# Altium PCB Intelliclone.PcbDoc (part 3 of 3)
Units mil, origin at the board's own origin, x right, y up, seen from the top; angles counter-clockwise.
Board outline 10500 x 3750 mil, 2 copper layers (Top Layer, Bottom Layer), stack 60.8 mil thick; 177 components, 173 nets, 727 pads, 193 vias.
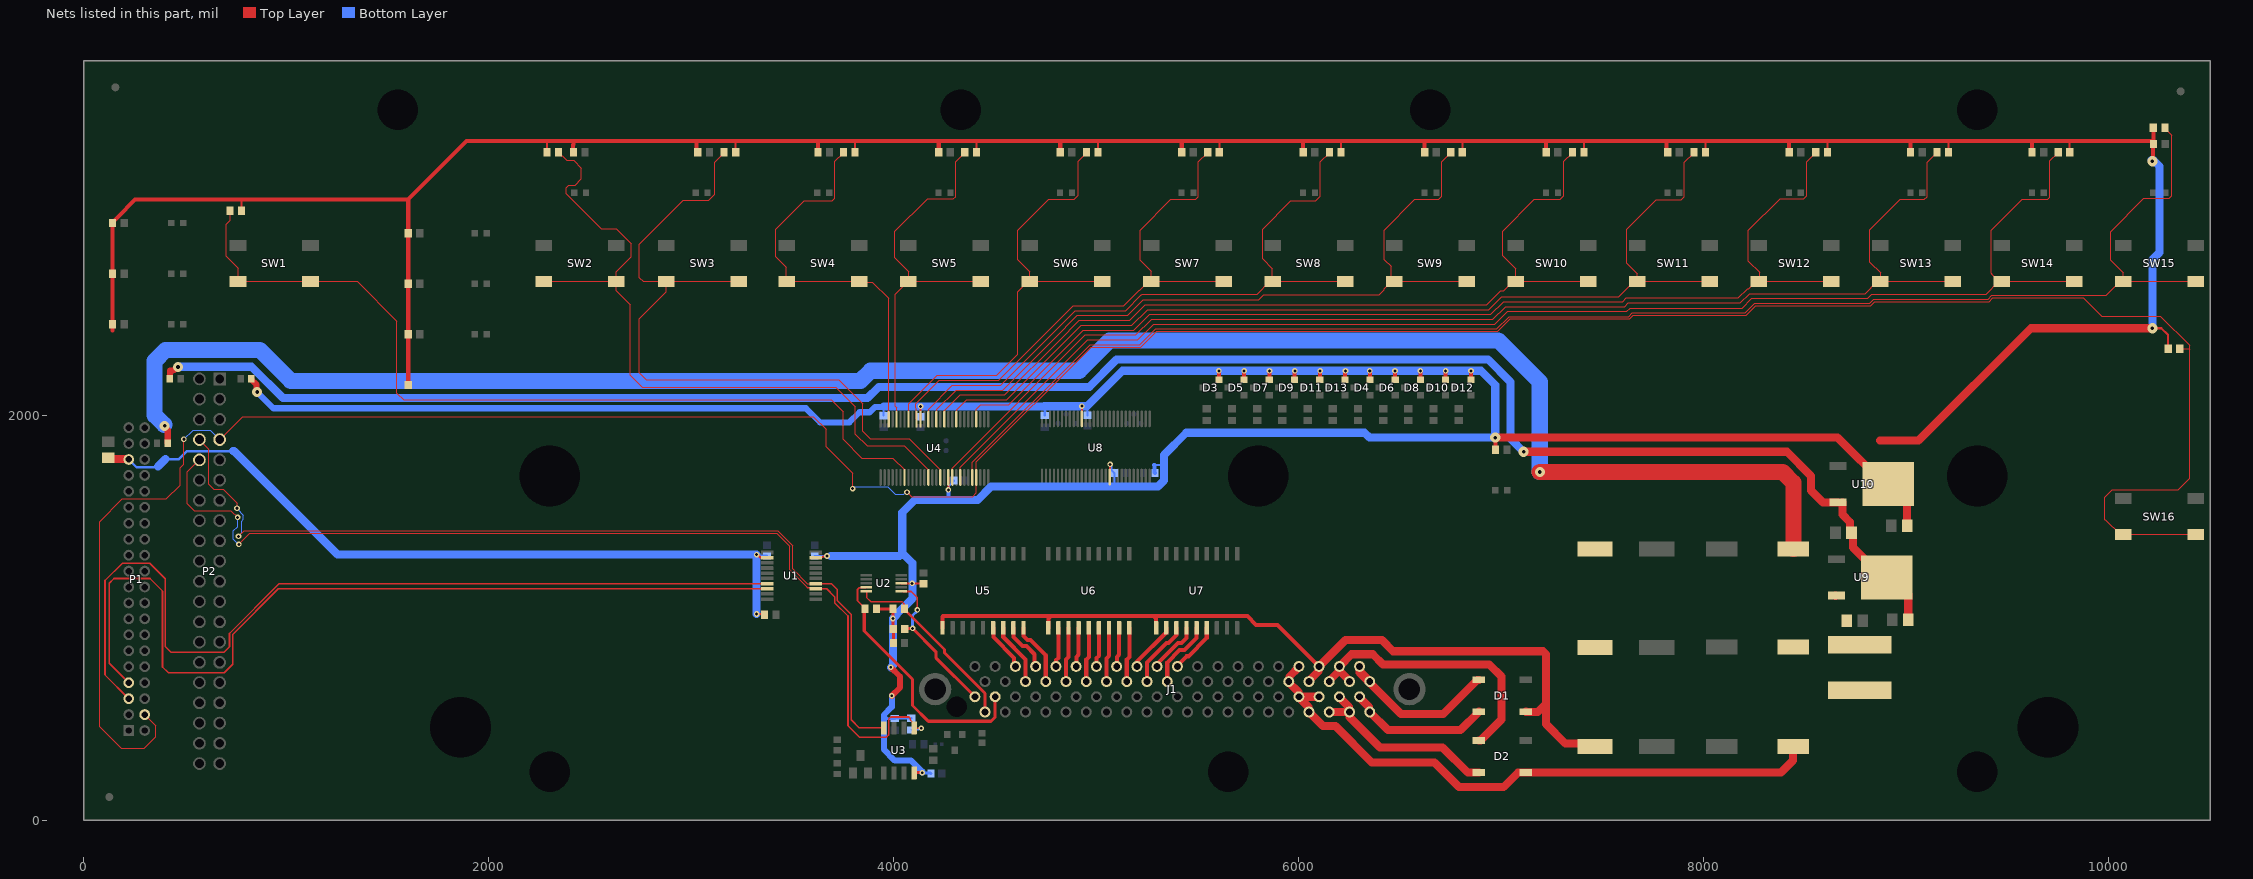
[diagram p3: the nets of this part, all layers, seen from the top]

## Via types
v1: diameter 28, hole 15, Top Layer to Bottom Layer, 98 vias
v2: diameter 28, hole 12, Top Layer to Bottom Layer, tented both sides, 44 vias
v3: diameter 50, hole 18, Top Layer to Bottom Layer, 36 vias
v4: diameter 28, hole 12, Top Layer to Bottom Layer, 15 vias

## Nets (pads, with @x,y where several pads share a name; then routed paths per layer and width w, separated by ;. In a path a pad name is that pad's centre, name@x,y a point inside that pad or via, vN(x,y) a via of type N, cw(c..) or ccw(c..) an arc to the next point about the centre after c; other vN are vias at no path point) (continued)
OUT5: J1.9 U5.15 | length 235.6
  Top Layer w20: U5.15@4490,950 4490.83,949.17 4490.83,904.17 4593.42,801.58 4593.42,766.58 J1.9@4600,760
OUT6: J1.11 U5.16 | length 310.6
  Top Layer w20: U5.16@4540,950 4540,905 4650,795 J1.11@4650,685
OUT7: J1.13 U5.17 | length 247.3
  Top Layer w20: U5.17@4590,950 4590.83,949.17 4590.83,904.17 4635,860 4655,860 4695,820 4695,765 J1.13@4700,760
OUT8: J1.15 U5.18 | length 319.4
  Top Layer w20: U5.18@4640,950 4640,910 4660,890 4675,890 4750,815 J1.15@4750,685
OUT9: J1.17 U6.11 | length 197.2
  Top Layer w20: J1.17@4795,760 4801.58,766.58 4801.58,791.58 4812.5,802.5 U6.11@4812.5,950
OUT10: J1.19 U6.12 | length 270.2
  Top Layer w20: J1.19@4850,685 4850,795 4862.5,807.5 U6.12@4862.5,950
OUT11: J1.21 U6.13 | length 195.2
  Top Layer w20: J1.21@4900,760 4901.58,761.58 4901.58,806.58 4912.5,817.5 U6.13@4912.5,950
OUT12: J1.23 U6.14 | length 270.2
  Top Layer w20: J1.23@4950,685 4950,795 4962.5,807.5 U6.14@4962.5,950
OUT13: J1.25 U6.15 | length 197.2
  Top Layer w20: J1.25@4995,760 5001.58,766.58 5001.58,801.58 5012.5,812.5 U6.15@5012.5,950
OUT14: J1.27 U6.16 | length 270.2
  Top Layer w20: J1.27@5050,685 5050,800 5062.5,812.5 U6.16@5062.5,950
OUT15: J1.29 U6.17 | length 195.2
  Top Layer w20: J1.29@5100,760 5101.58,761.58 5101.58,806.58 5112.5,817.5 U6.17@5112.5,950
OUT16: J1.31 U6.18 | length 270.2
  Top Layer w20: J1.31@5150,685 5150,795 5162.5,807.5 U6.18@5162.5,950
OUT17: J1.33 U7.11 | length 252.1
  Top Layer w20: J1.33@5195,760 5201.58,766.58 5201.58,783.94 5345,927.36 U7.11@5345,950
OUT18: J1.35 U7.12 | length 330.9
  Top Layer w20: J1.35@5250,685 5250,780 5346,876 5356,876 5395,915 U7.12@5395,950
OUT19: J1.37 U7.13 | length 262
  Top Layer w20: J1.37@5295,760 5295,766.77 5403.23,875 5420,875 5444.17,899.17 5444.17,949.17 U7.13@5445,950
OUT20: J1.39 U7.14 | length 339.7
  Top Layer w20: J1.39@5350,685 5350,780 5410,840 5435,840 5495,900 U7.14@5495,950
OUT21: J1.41 U7.15 | length 258
  Top Layer w20: J1.41@5395,760 5445,810 5455,810 5545,900 U7.15@5545,950
SW1_N: R45.2 SW1.1 SW1.2 U4.7 | length 4383.5
  Top Layer w6: R45.2@721.46,3010 721.46,2962.46 702,2943 702,2786 760.87,2727.13 SW1.2@760.87,2661.42 SW1.1@1119.13,2661.42 1348.58,2661.42 1545,2465 1545,2110 1578,2077 3690.27,2077 3749,2018.27 3749,1881 3842,1788 3994.49,1788 4052.36,1730.13 U4.7@4052.36,1693.3
SW2_N: R46.2 SW2.1 SW2.2 U4.13 | length 3620.1
  Top Layer w6: SW2.2@2270.87,2661.42 SW2.1@2629.13,2661.42 ; R46.2@2358.26,3317.67 2343.54,3302.95 R46.2@2343.54,3300 2343.54,3297.05 2358.26,3282.33 2361.21,3282.33 2384.54,3259 2418,3259 2457,3220 2457,3168 2426,3137 2395,3137 2381,3123 2381,3095.25 2555.59,2920.66 2628.69,2920.66 2703,2846.34 2703,2784 2629.13,2710.13 SW2.1@2629.13,2661.42 ; U4.13@4170.47,1693.3 4170.47,1730.13 4051.6,1849 3868.12,1849 3810,1907.12 3810,2042.12 3713.12,2139 2756,2139 2698,2197 2698,2547 2629.13,2615.87 SW2.1@2629.13,2661.42
SW3_N: R47.2 SW3.1 SW3.2 U4.16 | length 3677
  Top Layer w6: R47.2@3161.46,3300 3161.46,3297.05 3114.7,3250.3 3114.7,3090.95 3085.75,3062 2958.97,3062 2742,2845.03 2742,2680 2761,2661 2875.45,2661 SW3.2@2875.87,2661.42 ; SW3.1@3234.13,2661.42 SW3.2@2875.87,2661.42 ; U4.16@4229.53,1693.3 4229.53,1730.13 4074.65,1885 3883.03,1885 3846,1922.03 3846,2057.03 3727.03,2176 2776.49,2176 2742,2210.49 2742,2477 2875.87,2610.87 SW3.2@2875.87,2661.42
SW4_N: R48.2 SW4.1 SW4.2 U4.54 | length 2014.5
  Top Layer w6: R48.2@3751.46,3300 3751.46,3297.05 3708,3253.59 3708,3073 3695,3060 3556.97,3060 3417,2920.03 3417,2784 3469,2732 3469,2663.28 SW4.2@3470.87,2661.42 SW4.1@3829.13,2661.42 3832.55,2658 3893,2658 3973.62,2577.38 U4.54@3973.62,1980.7
SW5_N: R49.2 SW5.1 SW5.2 U4.52 | length 1953.3
  Top Layer w6: U4.52@4012.99,1980.7 4012.99,2037.99 4007,2043.98 4007,2597.55 SW5.2@4070.87,2661.42 ; R49.2@4350,3300 4350,3297.05 4304.28,3251.32 4304.28,3080.52 4292.75,3069 4165.97,3069 4005.31,2908.34 4005.31,2778.69 4074,2710 4074,2664.55 SW5.2@4070.87,2661.42 ; SW5.1@4429.13,2661.42 SW5.2@4070.87,2661.42
SW6_N: R50.2 SW6.1 SW6.2 U4.49 | length 2341.9
  Top Layer w6: U4.49@4072.05,1980.7 4072.05,2056.05 4213,2197 4508.27,2197 4612,2300.73 4612,2609.44 4663.98,2661.42 SW6.2@4670.87,2661.42 ; R50.2@4951.46,3300 4951.46,3297.05 4910,3255.59 4910,3086.25 4891.75,3068 4764.97,3068 4612,2915.03 4612,2768 4670.87,2709.13 SW6.2@4670.87,2661.42 ; SW6.1@5029.13,2661.42 SW6.2@4670.87,2661.42
SW7_N: R51.2 SW7.1 SW7.2 U4.47 | length 2720.2
  Top Layer w6: U4.47@4111.42,1980.7 4110.96,1981.16 4110.96,2031.04 4107,2035 4107,2056 4224,2173 4518.21,2173 4886.21,2541 5135.12,2541 5212.65,2618.53 5214.2,2618.53 5257.09,2661.42 SW7.2@5270.87,2661.42 ; R51.2@5550,3300 5550,3297.05 5504.28,3251.32 5504.28,3080.52 5489.75,3066 5367.97,3066 5217,2915.03 5217,2766 5270.87,2712.13 SW7.2@5270.87,2661.42 ; SW7.1@5629.13,2661.42 SW7.2@5270.87,2661.42
SW8_N: R52.2 SW8.1 SW8.2 U4.44 | length 3237.7
  Top Layer w6: U4.44@4170.47,1980.7 4171.04,1981.27 4171.04,2031.04 4289,2149 4528.3,2149 4767.15,2387.85 4767.15,2388 4896.15,2517 5145.06,2517 5222.59,2594.53 5224.14,2594.53 5227.61,2598 5793.67,2598 5857.09,2661.42 SW8.2@5870.87,2661.42 ; R52.2@6151.46,3300 6151.46,3297.05 6106,3251.59 6106,3082.25 6082.75,3059 5960.97,3059 5820.53,2918.56 5820.53,2772.47 5869,2724 5869,2663.28 SW8.2@5870.87,2661.42 ; SW8.1@6229.13,2661.42 SW8.2@5870.87,2661.42
SW9_N: R53.2 SW9.1 SW9.2 U4.42 | length 3796.9
  Top Layer w6: U4.42@4209.84,1980.7 4210.95,1981.81 4210.95,2028.92 4307.03,2125 4538.24,2125 4791.33,2378.1 4791.33,2378.24 4906.09,2493 5155,2493 5232.53,2570.53 5802.5,2570.53 5826.97,2595 6396.97,2595 6422,2620.03 6422,2626.33 6457.09,2661.42 SW9.2@6470.87,2661.42 ; R53.2@6750,3300 6750,3297.05 6705,3252.05 6705,3081.25 6689.75,3066 6572.97,3066 6420.53,2913.56 6420.53,2769.47 6455,2735 6455,2677.28 SW9.2@6470.87,2661.42 ; SW9.1@6829.13,2661.42 SW9.2@6470.87,2661.42
SW10_N: R54.2 SW10.1 SW10.2 U4.40 | length 4368.9
  Top Layer w6: U4.40@4249.21,1980.7 4249.21,2023.21 4327,2101 4548.18,2101 4816.31,2369.13 4816.31,2369.28 4916.03,2469 5164.94,2469 5242.47,2546.53 6928.5,2546.53 6996.97,2615 7010.67,2615 7057.09,2661.42 SW10.2@7070.87,2661.42 ; R54.2@7351.46,3300 7351.46,3297.05 7309,3254.59 7309,3085.25 7289.75,3066 7162.97,3066 7007,2910.03 7007,2788 7070.87,2724.13 SW10.2@7070.87,2661.42 ; SW10.1@7429.13,2661.42 SW10.2@7070.87,2661.42
SW11_N: R55.2 SW11.1 SW11.2 U4.37 | length 4898.3
  Top Layer w6: U4.37@4308.27,1980.7 4309.38,1981.81 4309.38,2027.38 4359,2077 4558.12,2077 4847.05,2365.93 4926.09,2445 5174.88,2445 5252.41,2522.53 6938.44,2522.53 7000.91,2585 7580.67,2585 7657.09,2661.42 SW11.2@7670.87,2661.42 ; R55.2@7951.46,3300 7951.46,3297.05 7904.28,3249.87 7904.28,3080.52 7887.75,3064 7765.97,3064 7620.53,2918.56 7620.53,2751.47 7672,2700 7672,2662.55 SW11.2@7670.87,2661.42 ; SW11.1@8029.13,2661.42 SW11.2@7670.87,2661.42
SW12_N: R56.2 SW12.1 SW12.2 U4.32 | length 5402.7
  Top Layer w6: U4.32@4406.69,1980.7 4407.04,1981.05 4407.04,2031.04 4428,2052 4567.06,2052 4872.28,2357.22 ; 4872.28,2357.25 4936.03,2421 5184.82,2421 5262.35,2498.53 6948.38,2498.53 7010.85,2561 7598.97,2561 7617.97,2580 8170.7,2580 8215.7,2625 8220.67,2625 8257.09,2661.42 SW12.2@8270.87,2661.42 ; R56.2@8552.91,3300 8552.91,3297.05 8508,3252.13 8508,3084.25 8493.75,3070 8376.97,3070 8220.53,2913.56 8220.53,2761.47 8275,2707 8275,2665.55 SW12.2@8270.87,2661.42 ; SW12.1@8629.13,2661.42 SW12.2@8270.87,2661.42
SW13_N: R57.2 SW13.1 SW13.2 U4.19 | length 6237.7
  Top Layer w6: U4.19@4288.58,1693.3 4288.58,1739.58 4946,2397 5194.76,2397 5272.29,2474.53 6958.32,2474.53 7020.79,2537 7608.91,2537 7626.91,2555 8179.64,2555 8225.64,2601 8796.67,2601 8857.09,2661.42 SW13.2@8870.87,2661.42 ; R57.2@9151.46,3300 9151.46,3297.05 9104.28,3249.87 9104.28,3080.52 9089.75,3066 8969,3066 8820.53,2917.53 8820.53,2755.47 8873,2703 8873,2663.55 SW13.2@8870.87,2661.42 ; SW13.1@9229.13,2661.42 SW13.2@8870.87,2661.42
SW14_N: R58.2 SW14.1 SW14.2 U4.21 | length 6795.3
  Top Layer w6: U4.21@4327.95,1693.3 4327.95,1743.95 4957,2373 5204.97,2373 5282.5,2450.53 6968.26,2450.53 7030.73,2513 7619.97,2513 7636.97,2530 8188.58,2530 8235.58,2577 8808.97,2577 8829.97,2598 9393.67,2598 SW14.2@9457.09,2661.42 ; R58.2@9750,3300 9750,3297.05 9709,3256.05 9709,3077 9698,3066 9572.97,3066 9420.53,2913.56 9420.53,2700.47 9422,2699 9422,2696.5 SW14.2@9457.09,2661.42 ; SW14.1@9829.13,2661.42 SW14.2@9470.87,2661.42 SW14.2@9457.09,2661.42
SW15_N: R59.2 SW15.1 SW15.2 U4.24 | length 7484.2
  Top Layer w6: U4.24@4387.01,1693.3 4387.01,1767.04 4968.97,2349 5214.91,2349 5292.44,2426.53 6978.2,2426.53 7039.68,2488 7628.91,2488 7646.91,2506 8203.97,2506 8250.97,2553 8818.91,2553 8839.91,2574 9403.61,2574 9422.61,2593 9988.67,2593 10057.09,2661.42 SW15.2@10070.87,2661.42 ; R59.2@10277.09,3420 10277.09,3417.05 10312,3382.13 10312,3085 10298,3071 10172.97,3071 10008.49,2906.51 10008.49,2766.51 10070.87,2704.13 SW15.2@10070.87,2661.42 ; SW15.1@10429.13,2661.42 SW15.2@10070.87,2661.42
SW16_N: P1.4 P2.7 R60.2 SW16.1 SW16.2 U4.25 | length 14819.6
  Top Layer w6: P1.4@299.74,522.12 355,466.86 355,413 297,355 183,355 77,461 77,1475 189,1587 407,1587 475,1655 475,1740 493.19,1758.19 v1@493.19,1878.81 ; v1@490,1882 v1@493.19,1878.81 ; v1(493.19,1881.81) v1@493.19,1878.81 ; P2.7@670,1880 783,1993 3602.06,1993 3665,1930.06 3665,1844.09 3796,1713.09 v1(3796,1638) ; v1(4065,1620) 4085,1600 4085,1598.51 4388.51,1598.51 4406.69,1616.69 U4.25@4406.69,1693.3 4406.69,1769.75 4973.94,2337 5219.88,2337 5297.41,2414.53 6983.18,2414.53 7044.65,2476 7633.88,2476 7651.88,2494 8208.94,2494 8255.94,2541 8823.88,2541 8844.88,2562 9408.58,2562 9427.58,2581 9874,2581 9965,2490 10255,2490 10400,2345 10400,2325 ; R60.2@10350.54,2328 10397,2328 10400,2325 ; SW16.1@10429.13,1411.42 SW16.2@10070.87,1411.42 10057.09,1411.42 9983.5,1485 9980,1485 9980,1595 10017.5,1632.5 10342.5,1632.5 10400,1690 10400,2325
  Bottom Layer w6: v1(493.19,1881.81) 538.38,1927 623,1927 P2.7@670,1880 ; v1(3796,1638) 3806,1648 3969,1648 4007.29,1609.71 4049.71,1609.71 4060,1620 v1(4065,1620)
SYS_DCIN: C15.1 C16.2 L1.2 R3.2 U9.3 | length 9648.2
  Top Layer w30: v3(398,1948) 398,1942.59 413.57,1927.01 R3.2@413.57,1863
  Top Layer w40: U9.3@8650,1108.7 U9.3@8651.3,1110 ; L1.2@8705.63,890.51 8728.94,867.2 L1.2@8770,867.2 ; C16.2@8705.63,985 C16.2@8705.63,988.94
  Top Layer w80: v3(7190,1720) 8390,1720 8442.17,1667.83 C15.1@8442.17,1340
  Bottom Layer w80: v3@396,1953 348.5,2000.5 348.5,2268.5 403,2323 868,2323 1021,2170 3835,2170 3885,2220 4915,2220 5065,2370 6985,2370 7190,2165 v3(7190,1720)
THERM1: J1.2 R6.2 U2.6 | length 750.9
  Top Layer w8: U2.6@4045,1130 4085,1130 4116,1099 v1(4116,1039)
  Top Layer w15: R6.2@4052,949 4053.22,947.78 v1(4092.22,947.78) 4207,833 4207,803 J1.2@4400,610
  Bottom Layer w15: v1(4092.22,947.78) 4092.22,1011.7 4116,1035.48 v1(4116,1039)
THERM2: J1.4 R5.2 U2.5 | length 928.1
  Top Layer w8: U2.5@3865,1130 3865,1100 3885,1080 4040,1080 4050,1070 4050,1046 R5.2@4052,1044
  Top Layer w15: R5.2@4052,1044 4052,1041.05 4249.61,843.44 4249.61,827.39 4450,627 J1.4@4450,535
THERM3: J1.6 R4.2 U2.4 | length 1282.8
  Top Layer w8: R4.2@3856.46,1045 3856.46,1047.95 3820,1084.41 3820,1140.31 3824.69,1145 3825,1145 3828.41,1148.41 3861.48,1148.41 U2.4@3863.39,1150.32
  Top Layer w15: R4.2@3853.46,1044 3853.46,934.54 4092,696 4092,567 4170,489 4479,489 4500,510 J1.6@4500,610
UART_RX: P2.10 R65.2 U1.13 U3.1 | length 5066.2
  Top Layer w6: P2.10@584,1780 P2.10@570,1780 511,1721 511,1563 545,1529 726,1529 v1(759,1496) ; v1(765,1363) 819,1417 833,1417 3422.38,1417 3485,1354.38 3485,1237 3573.5,1148.5
  Top Layer w8: 3573.5,1148.5 3573.73,1148.27 3609.14,1148.27 U1.13@3614,1143.41 3667.59,1143.41 3707,1104 3707,1075 3773,1009 3773,467 3830,410 3961.26,410 3965,413.74 3965.81,413.74 3975,422.93 3975,500 3985,510 4075,510 4080.66,504.34 4080.66,495.25 4100,475.91 4100,463.8 U3.1@4103.79,460.01 ; U3.1@4108.8,455 v4(4135,455)
  Bottom Layer w6: v1(759,1496) 759,1450 738,1429 738,1388 763,1363 v1(765,1363)
  Bottom Layer w8: R65.2@4085,446.46 4121.04,446.46 4129.59,455 v4(4135,455)
UART_RX_1V8: P1.7 U1.8 | length 4461.2
  Top Layer w8: P1.7@221,679.6 125,775.6 125,1171 148.2,1194.2 325.8,1194.2 388,1132 388,757 417,728 692,728 734,770 734,918 959.41,1143.41 U1.8@3373.84,1143.41
UART_TX: P2.8 U1.14 U3.4 | length 4611.2
  Top Layer w6: P2.8@570,1880 617,1833 617,1659 642,1634 687,1634 756,1565 v1(756,1541) ; v1(763,1402) 792,1431 800,1431 3426,1431 3500,1357 3500,1242 3573,1169 U1.14@3614,1169
  Top Layer w8: U1.14@3614,1169 3691,1169 3721,1139 3721,1084 3789,1016 3789,496 3828.78,456.22 U3.4@3950,456.22
  Bottom Layer w6: v1(756,1541) 756,1537.47 787,1506.47 787,1486 778,1477 778,1419.53 763,1404.53 v1(763,1402)
UART_TX_1V8: P1.5 U1.7 | length 4494.9
  Top Layer w8: P1.5@221,600.86 104,717.86 104,1184 190,1270 325,1270 402,1193 402,858 431,829 690,829 718.5,857.5 718.5,922.5 965,1169 U1.7@3373.84,1169
VAC_12V+: D2.3 J1.71 J1.73 J1.75 | length 1378.4
  Top Layer w40: J1.71@6150,685 6150,688.89 J1.73@6197.25,736.14 ; J1.73@6200,760 6260,820 6365,820 6415,770 6940,770 7000,710 7000,497.64 6896.1,393.74 D2.3@6888.86,393.74 ; J1.73@6202.75,736.14 6250,688.89 J1.75@6250,685
VAC_12V-: D2.4 J1.72 J1.74 J1.76 | length 949
  Top Layer w40: J1.72@6150,535 J1.76@6250,535 6250,510 6400,360 6710,360 6835,235 6887.6,235 D2.4@6888.86,236.26 ; J1.74@6200,610 6200,606.11 J1.76@6247.25,558.86
VAC_18V+: D1.3 J1.77 J1.79 | length 844.4
  Top Layer w40: J1.77@6300,760 6300,730 6505,525 6712.87,525 6881.61,693.74 D1.3@6888.86,693.74 ; J1.77@6302.75,736.14 6350,688.89 J1.79@6350,685
VAC_18V-: D1.4 J1.78 J1.80 | length 684.6
  Top Layer w40: J1.78@6300,610 6300,606.11 J1.80@6347.25,558.86 ; J1.80@6350,535 6440,445 6797.6,445 D1.4@6888.86,536.26
VDC_1V8: C1.2 C3.2 P1.35 R1.1 U1.2 | length 3897.8
  Top Layer w8: v1(3322,1019) 3356.46,1019 R1.1@3360.46,1015
  Top Layer w12: v1(3322.19,1311.81) 3326.52,1311.81 3338.52,1299.81 3370.98,1299.81 U1.2@3373.84,1296.95
  Top Layer w40: C3.2@120,1790.63 126.15,1784.48 218.48,1784.48 P1.35@221,1781.96
  Bottom Layer w12: P1.35@221,1781.96 259.57,1743.39 361.39,1743.39 365,1747 ; 402,1784 469,1784 508.5,1823.5 735.5,1823.5 736,1823 ; v1@3329.38,1304.62 3330.19,1305.43 C1.2@3373,1305.43
  Bottom Layer w40: 365,1747 402,1784 ; 736,1823 740,1823 1251.19,1311.81 ; 1255,1311.81 v1(3322.19,1311.81) 3322,1311.62 v1(3322,1019)
VDC_3V3: C2.2 C4.2 C5.2 C6.2 C7.2 C11.2 C12.2 C19.2 C20.2 D3.2 D4.2 D5.2 D6.2 D7.2 D8.2 D9.2 D10.2 D11.2 D12.2 D13.2 R4.1 R5.1 R6.1 R7.1 R8.1 R9.1 R10.1 R13.1 R14.1 R15.1 R18.1 R19.1 R22.1 R23.1 R24.1 R27.1 R28.1 R31.1 R32.1 R34.1 R35.1 R36.1 R37.1 R38.1 R39.1 R40.1 R41.1 R42.1 R45.1 R46.1 R47.1 R48.1 R49.1 R50.1 R51.1 R52.1 R53.1 R54.1 R55.1 R56.1 R57.1 R58.1 R59.1 R60.1 R61.1 R65.1 R66.1 U1.19 U2.8 U3.8 U4.18 U4.46 U8.18 U8.46 U10.4 | length 31979.7
  Top Layer w10: R45.1@778.54,3010 778.54,3058.54 785,3065 ; 2282,3355 2286.46,3350.54 R46.1@2286.46,3300 ; R47.1@3218.54,3300 3218.54,3347.54 3226,3355 ; U1.19@3614,1296.95 3617.86,1300.81 3648.13,1300.81 3650,1302.68 v1@3666.69,1302.68 ; 3801,3355 3808.54,3347.46 R48.1@3808.54,3300 ; U2.8@4035,1170 v1(4090,1170) C4.2@4133.43,1170 ; U4.46@4131.1,1980.7 4131.45,1981.05 4131.45,2043.45 v1(4132,2044) ; U4.18@4268.9,1693.3 4268.95,1693.25 4268.95,1632.05 v1(4269,1632) ; 4405,3355 4407.09,3352.91 R49.1@4407.09,3300 ; U8.46@4928.43,1982.4 v1(4928.43,2045.43) ; 5006,3355 5008.54,3352.46 R50.1@5008.54,3300 ; U8.18@5066.22,1695 5066.22,1756.22 v1(5068.11,1758.11) ; R51.1@5607.09,3300 5607.09,3352.09 5610,3355 ; R52.1@6208.54,3300 6208.54,3349.54 6214,3355 ; R53.1@6807.09,3300 6807.09,3351.09 6811,3355 ; R54.1@7408.54,3300 7408.54,3354.54 7409,3355 ; R55.1@8008.54,3300 8008.54,3352.54 8011,3355 ; R56.1@8610,3300 8610,3350 8615,3355 ; R57.1@9208.54,3300 9208.54,3354.54 9209,3355 ; 9802,3355 9807.09,3349.91 R58.1@9807.09,3300 ; v3(10215,2430) 10260,2430 10293.46,2396.54 R60.1@10293.46,2328 ; R59.1@10220,3417.05 R59.1@10220,3420
  Top Layer w15: R4.1@3910.54,1044 R5.1@3994.91,1044 v1(3994.91,996.5) R6.1@3994.91,949 ; R6.1@3996.46,945 3997.44,944.02 3997.44,875.98 C20.2@3998.43,875 ; U3.8@4100,233.78 4101.22,235 v4@4135,235
  Top Layer w20: 140,2420 140,2448.54 R14.1@141.46,2450 R13.1@141.46,2700 R10.1@141.46,2950 141.46,2952.95 164.83,2976.32 164.83,2977.3 252.53,3065 785,3065 1600,3065 ; R22.1@1601.46,2150 R19.1@1601.46,2400 R18.1@1601.46,2650 R15.1@1601.46,2900 1601.46,3063.54 1600,3065 ; R23.1@2417.91,3300 2415,3302.91 2415,3335 2417.91,3337.91 2417.91,3352.09 2415,3355 ; R24.1@3031.46,3300 3025,3306.46 3025,3355 ; R27.1@3625,3300 3625,3355 ; R28.1@4221.46,3300 4221.46,3351.46 4225,3355 ; R31.1@4821.46,3300 4821.46,3353.54 4820,3355 ; R32.1@5421.46,3300 5421.46,3353.54 5420,3355 ; D3.2@5605,2174.8 v1(5605,2220) ; D5.2@5729.44,2174.8 5729.72,2175.08 5729.72,2219.72 v1(5730,2220) ; D7.2@5853.87,2174.8 5854.44,2175.37 5854.44,2219.44 v1(5855,2220) ; D9.2@5978.31,2174.8 5979.16,2175.65 5979.16,2219.16 v1(5980,2220) ; R34.1@6021.46,3300 6021.46,3351.46 6025,3355 ; D11.2@6102.75,2174.8 6103.87,2175.93 6103.87,2218.87 v1(6105,2220) ; D13.2@6227.19,2174.8 6228.59,2176.21 6228.59,2218.59 v1(6230,2220) ; v1(6350,2220) 6350.81,2219.19 6350.81,2175.61 D4.2@6351.62,2174.8 ; v1(6475,2220) 6475.53,2219.47 6475.53,2175.33 D6.2@6476.06,2174.8 ; v1(6600,2220) 6600.25,2219.75 6600.25,2175.05 D8.2@6600.5,2174.8 ; R35.1@6621.46,3300 6621.46,3353.54 6620,3355 ; D10.2@6724.97,2174.84 v1(6725,2220) ; D12.2@6849.37,2174.8 6849.68,2175.12 6849.68,2219.69 v1(6850,2220) ; v3@6970.89,1874.74 6970.89,1830.57 R42.1@6971.46,1830 ; R36.1@7221.46,3300 7221.46,3353.54 7220,3355 ; R37.1@7821.46,3300 7815,3306.46 7815,3355 ; R38.1@8421.46,3300 8421.46,3351.46 8425,3355 ; R39.1@9021.46,3300 9021.46,3351.46 9025,3355 ; R40.1@9621.46,3300 9621.46,3351.46 9625,3355 ; R41.1@10206.46,3355 9802,3355 9625,3355 ; R41.1@10210.79,3350.67 R41.1@10213.74,3350.67 ; v3(10215,3255) 10218.23,3258.23 10218.23,3339.72 R41.1@10220.73,3342.22 ; R59.1@10220,3420 10220.73,3419.27 R41.1@10220.73,3342.22 ; R41.1@10221.46,3340 10220.73,3340.73 R41.1@10220.73,3342.22 ; 1600,3065 1890,3355 2282,3355 2415,3355 ; 2415,3355 3025,3355 ; 3025,3355 3226,3355 3625,3355 ; 3625,3355 3801,3355 4225,3355 ; 4225,3355 4405,3355 4820,3355 ; 4820,3355 5006,3355 5420,3355 ; 5420,3355 5610,3355 6025,3355 ; 6025,3355 6214,3355 6620,3355 ; 6620,3355 6811,3355 7220,3355 ; 7220,3355 7409,3355 7815,3355 ; 7815,3355 8011,3355 8425,3355 ; 8425,3355 8615,3355 9025,3355 ; 9025,3355 9209,3355 9625,3355
  Top Layer w30: R66.1@826.57,2180 826.57,2177.05 851.17,2152.45 851.17,2118.83 v3(855,2115) ; v4(3985,755) 4030,710 4030,655 v4(3990,615)
  Top Layer w40: v3(6970,1890) 8661.02,1890 8891.02,1660 U10.4@8910.71,1660 8916.1,1660 9004.37,1571.73 C19.2@9004.37,1455 ; 8870,1875 9060,1875 9615,2430 v3(10215,2430)
  Bottom Layer w10: C2.2@3609,1305.43 3609.08,1305.34 v1(3669.34,1305.34) ; R7.1@3949,1998.09 3949,2042 3950,2043 ; C11.2@4131,1993 4132,1994 4132,2043 v1(4132,2044) ; v1(4269,1632) 4272.44,1635.44 4272.44,1652.05 4296.43,1676.03 C12.2@4296.43,1678 ; 4744,2045 4745,2044 R9.1@4745,1998.54 ; 4954,2045 4955,2044 C6.2@4955,2000 ; v1(5068.11,1758.11) 5068.11,1753.24 5075.71,1745.64 5075.71,1727.72 C7.2@5088.43,1715 5088.43,1652.43 5084,1648 ; 5285,1755 5334.5,1755
  Bottom Layer w12: 3950,520 3967.91,502.09 R61.1@4005,502.09 4005.73,502.82 4084.27,502.82 R65.1@4085,503.54
  Bottom Layer w15: v4(4140,235) 4142.49,232.51 4180.91,232.51 C5.2@4183.43,230
  Bottom Layer w20: 4269,1582 v1(4269,1632) ; 5285,1755 5286.53,1753.47 5286.53,1718.47 R8.1@5290,1715
  Bottom Layer w30: v3(855,2115) 935,2035 3565,2035 3635,1965 3780,1965 3830,2015 3880,2015 3907,2042 3949,2042 ; v4(3985,755) v4@3990,755 ; v4(3990,615) 3990,560 3950,520 3950,350 4005,295 4085,295 4140,240 v4(4140,235)
  Bottom Layer w40: 3688,1305.43 4026.71,1305.43 4041,1319.71 ; 3950,2043 v1@4132,2043 ; v4(3985,755) 3994.91,764.91 v1(3994.91,996.5) 4012.5,1014.09 4012.5,1017.5 4091.02,1096.02 4091.02,1269.7 4041,1319.71 ; v1(4132,2044) 4745,2044 ; 4744,2045 4954,2045 5129,2220 v1(5605,2220) v1(5730,2220) v1(5855,2220) v1(5980,2220) v1(6105,2220) v1(6230,2220) v1(6350,2220) v1(6475,2220) v1(6600,2220) v1(6725,2220) v1(6850,2220) 6900,2220 6970,2150 v3(6970,1890) 6349,1890 6325,1914 5444,1914 5334.5,1804.5 5334.5,1755 5334.5,1678.5 5304,1648 5084,1648 4480,1648 4414,1582 4269,1582 4103,1582 4041,1520 4041,1319.71 ; v3@10210,3260 10220,3260 10250,3230 10250,2805 10215,2770 v3(10215,2430)
VDC_5V0: C17.2 C18.2 R2.2 U9.4 U10.3 | length 9667.7
  Top Layer w30: R2.2@424.43,2180 424,2180.43 424,2221 440.59,2221 458.59,2239 v3(464,2239)
  Top Layer w40: v3(7110,1820) 8410,1820 8530,1700 8530,1627.87 8588.94,1568.94 8661.38,1568.94 U10.3@8662.68,1570.24 ; U10.3@8684.02,1568.94 8684.02,1510.98 8722.8,1472.2 8722.8,1426.57 C18.2@8729.37,1420 8735.94,1413.43 8735.94,1347.17 8883.35,1199.76 U9.4@8903.03,1199.76 8982.8,1120 9005,1120 9009.37,1115.63 C17.2@9009.37,990
  Bottom Layer w40: v3@464,2240 827,2240 982,2085 3870,2085 3925,2140 4965,2140 5100,2275 6935,2275 7045,2165 7045,1885 v3(7110,1820)
VDC_15V: C13.1 C14.1 D2.1 J1.63 J1.65 J1.66 J1.68 J1.70 L1.1 | length 3005.1
  Top Layer w40: J1.63@5950,685 5950,681.11 J1.66@5997.25,633.86 ; J1.63@5952.75,708.86 6000,756.11 J1.65@6000,760 ; J1.70@6100,610 J1.66@6000,610 6000,606.11 6047.25,558.86 6047.25,537.75 J1.68@6050,535 6120,465 6180,465 6360,285 6670,285 6790,165 7011.57,165 7081.57,235 7119.88,235 D2.1@7121.14,236.26 8381.26,236.26 8440,295 8440,362.83 C13.1@8442.17,365
VDC_22V: C8.1 C9.1 C10.1 D1.1 J1.67 J1.69 U5.10 U6.10 U7.10 | length 4168.3
  Top Layer w20: U5.10@4240,950 4239.17,950.83 4239.17,1004.28 4242.89,1008 4775.04,1008 ; U6.10@4762.5,950 4763.33,950.83 4763.33,996.28 4775.04,1008 ; U7.10@5295,950 5294.17,950.83 5294.17,997.11 5283.28,1008 ; J1.69@6100,760 5895,965 5789,965 5746,1008 5283.28,1008 ; 4775.04,1008 5283.28,1008
  Top Layer w40: J1.67@6050,685 6050,688.89 J1.69@6097.25,736.14 ; J1.69@6100,760 6230,890 6410,890 6465,835 7205,835 7220,820 7220,575 ; D1.1@7121.14,536.26 7122.4,535 7180,535 7220,575 ; C8.1@7462.44,365 7448.27,379.17 7315.83,379.17 7220,475 7220,575
pads on no net: FID1.1 FID2.1 FID3.1 J1.8 J1.10 J1.34 J1.36 J1.38 J1.40 J1.42 J1.43 J1.44 J1.45 J1.46 J1.47 J1.48 J1.49 J1.54 J1.56 J1.58 J1.MH1 J1.MH2 J1.MH3 P1.3 P1.6 P1.8 P1.10 P1.11 P1.12 P1.13 P1.14 P1.16 P1.18 P1.19 P1.20 P1.21 P1.22 P1.23 P1.24 P1.28 P1.29 P1.30 P1.31 P1.32 P1.33 P1.34 P1.37 P2.12 P2.13 P2.15 P2.17 P2.19 P2.21 P2.23 P2.24 P2.26 P2.27 P2.28 P2.29 P2.31 P2.32 P2.33 P2.35 P2.36 P2.37 P2.38 P2.40 U2.1 U2.2 U2.7 U7.1 U7.2 U7.3 U7.16 U7.17 U7.18 U8.53 U8.54 Z1.1 Z2.1 Z3.1 Z4.1 Z5.1 Z6.1 Z7.1 Z8.1 Z9.1 Z10.1 Z11.1 Z12.1

## Polygon pours and split planes (outlines as drawn)
GND on Top Layer "Top Layer-GND 2" (solid, pour order 26): 0,0 10500,0 10500,3750 0,3750
GND on Top Layer "Top Layer-GND 1" (solid, pour order 20): 5675,800 5915,800 5932.33,782.67 5932.33,747.33 5895,710 5895,645 5975,565 5975,520 5945,490 5740,490 5640,590 5640,650 5620,670 5620,740
VAC_12V- on Top Layer "Top Layer-VAC_12V-" (solid, pour order 18): 6170,640 6250,640 6260,630 6260,590 6290,560 6290,520 6270,500 6120,500 6110,510 6110,540 6150,580 6150,620
VDC_15V on Top Layer "Top Layer-VDC_15V" (solid, pour order 16): 6030,800 5970,800 5910,740 5910,650 5990,570 5990,520 6020,490 6090,490 6100,500 6100,550 6140,590 6140,630 6130,640 6030,640 6000,670 6000,700 6040,740 6040,790
VAC_12V+ on Top Layer "Top Layer-VAC_12V+" (solid, pour order 14): 6130,660 6130,730 6180,780 6220,780 6220,770 6280,710 6280,660
VDC_5V0 on Top Layer "Top Layer-VDC_5V0" (solid, pour order 12): 8540,1620 8700,1620 8720,1600 8720,1520 8780,1460 8780,1360 8880,1360 8900,1340 9340,1340 9440,1240 9440,940 9380,880 9020,880 8980,920 8980,1060 8780,1060 8740,1100 8740,1280 8700,1320 8700,1460 8660,1500 8540,1500
VDC_3V3 on Top Layer "Top Layer-VDC_3V3" (solid, pour order 10): 8980,1380 9100,1380 9140,1420 9140,1900 9080,1960 8680,1960 8620,1900 8620,1840 8660,1800 8700,1800 8740,1760 8740,1520 8760,1500 8980,1500
SYS_DCIN on Top Layer "Top Layer-SYS_DCIN" (solid, pour order 8): 8260,1380 8260,1000 8300,960 8560,960 8580,940 8580,820 8620,780 8940,780 8960,800 8960,900 8940,920 8720,920 8720,1140 8640,1220 8560,1220 8520,1260 8520,1400 8500,1420 8300,1420
VDC_15V on Top Layer "Top Layer-VDC_15V 1" (solid, pour order 6): 8260,900 8300,940 8540,940 8560,920 8560,800 8620,740 8960,740 9000,700 9000,300 8900,200 8260,200
GND on Top Layer "Top Layer-GND" (solid, pour order 4): 7640,1400 7680,1440 8160,1440 8220,1380 8220,340 8180,300 7680,300 7640,340
VDC_22V on Top Layer "Top Layer-VDC_22V" (solid, pour order 0): 7505,1420 7270,1420 7185,1335 7185,475 7345,315 7570,315 7615,360 7615,1335 7575,1375
GND on Bottom Layer "Bottom Layer-GND" (solid, pour order 24): -10,3755 -10,0 10455,0 10500,45 10495,50 10495,3750
VDC_1V8 on Bottom Layer "Bottom Layer-VDC_1V8" (solid, pour order 22): 180,1826.67 180,1750 203.33,1726.67 541.67,1726.67 625,1810 730,1810 760,1840 760,1910 730,1940 520,1940 420,1840 190,1840

## Silkscreen, mask and mechanical layers (free items; w line width, h text height)
Top Overlay:
  circle w10: c2890,120 r46.1
  text "Silver Bullet Technology" at 2575,205 h100
  text "c  2020" at 2870,95 h100
Bottom Overlay:
  text "1" at 830,2170 h100 r270
  text "96Boards.org Header" at 25,720 h100 r270
  text "Raspberry Pi Header" at 835,650 h100 r270
  text "1" at 80,460 h100 r90
Mechanical 1:
  drawing of 1273 lines, arcs and shapes, not listed
  text "1" at 4190,860 h100
Mechanical 9:
  region: 8293.86,-1789.12
  region: 8293.86,-1789.12
  region: 8293.86,-1789.12
  region: 8293.86,-1789.12
  region: 8293.86,-1789.12
  region: 8293.86,-1789.12
  region: 8293.86,-1789.12
  region: 8293.86,-1789.12
  region: 8293.86,-1789.12
  region: 8293.86,-1789.12
  region: 8293.86,-1789.12
  region: 8293.86,-1789.12
  region: 8293.86,-1789.12
  region: 8293.86,-1789.12
  region: 8293.86,-1789.12
  region: 8293.86,-1789.12
  region: 8293.86,-1789.12
  region: 8293.86,-1789.12
  region: 8293.86,-1789.12
  region: 8293.86,-1789.12
  lines w6: -1703.43,263.93 -1503.43,263.93 ; -1703.43,3013.93 -1503.43,3013.93 ; -1703.43,5763.93 -1503.43,5763.93 ; 1131.57,-2486.07 1131.57,-2286.07 ; 1131.57,8313.93 1131.57,8513.93 ; 3961.57,-2486.07 3961.57,-2286.07 ; 3961.57,8313.93 3961.57,8513.93 ; 4296.57,-2286.07 4296.57,-1086.07 10615,-1086.07 ; 6796.57,-2486.07 6796.57,-2286.07 ; 6796.57,8313.93 6796.57,8513.93 ; 8296.57,-2286.07 8296.57,-1086.07 ; 8696.57,-2286.07 10096.57,-2286.07 ; 9626.57,-2486.07 9626.57,-2286.07 ; 9626.57,8313.93 9626.57,8513.93 ; 10596.57,-1986.07 15096.57,-1986.07 ; 10596.57,-1686.07 15096.57,-1686.07 ; 10596.57,-1386.07 12096.57,-1386.07 ; 10596.57,-1101 10596.57,-2286.07 15096.57,-2286.07 ; 10596.57,-1086.07 12096.57,-1086.07 ; 12096.57,-2286.07 12096.57,-1686.07 12096.57,-1086.07 ; 12461.57,-2486.07 12461.57,-2286.07 ; 12461.57,8313.93 12461.57,8513.93 ; 14196.57,-2286.07 14196.57,-1686.07 ; 15096.57,263.93 15296.57,263.93 ; 15096.57,3000.93 15296.57,3000.93 ; 15096.57,5763.93 15296.57,5763.93 ; 12096.57,-1086.07 15096.57,-1086.07 15096.57,-2286.07 ; 15096.57,-2286.07 15096.57,8313.93 -1503.43,8313.93 -1503.43,-2286.07 15096.57,-2286.07 ; -1703.43,-2486.07 15296.57,-2486.07 15296.57,8513.93 -1703.43,8513.93 -1703.43,-2486.07
  text "1" at -302.09,8378.93 h120
  text "2" at 2523.57,8378.93 h120
  text "3" at 5348.57,8378.93 h120
  text "4" at 8189.58,8378.93 h120
  text "5" at 11023.57,8378.93 h120
  text "6" at 13858.57,8378.93 h120
  text "A" at -1628.43,7135.93 h120
  text "A" at 15179,7078 h120
  text "B" at -1628.43,4401.94 h120
  text "B" at 15183.13,4373.5 h120
  text "C" at -1628.43,1620.93 h120
  text "ENGINEER:" at 10646.57,-1186.07 h120
  text "TITLE:" at 12146.57,-1186.07 h120
  text "D" at -1628.43,-1201.07 h120
  text "D" at 15171.57,-1201.07 h120
  text "Dustin McIntire" at 10715.57,-1318.07 h120
  text "PCB DESIGNER:" at 10646.57,-1481.07 h120
  text "This document contains confidential information protected under Patented and" at 4434.81,-1574.57 h120
  text "Dustin McIntire" at 10704,-1601.49 h120
  text "INTELLITOUCH ADAPTER FOR PI AND 96BOARDS" at 12140,-1670 h200
  text "or Copyrighted Material as defined by US Regulations.  No disclosure," at 4434.81,-1674.57 h120
  text "Silver Bullet Technology" at 8909,-1731 h100
  text "reproduction, transfer of this material in part or in its entirety shall be done" at 4434.81,-1774.57 h120
  text "DATE:" at 10646.57,-1786.07 h120
  text "PART NO.:" at 12146.57,-1786.07 h120
  text "REV:" at 14246.57,-1786.07 h120
  text "without prior written  approval by Silver Bullet Technology LLC" at 4434.81,-1874.57 h120
  text "C" at 14450.57,-1904.07 h120
  text ".PRINT_DATE" at 10696.57,-1906.07 h120
  text "PNT-ITOUCH-AD" at 12525.57,-1906.07 h120
  text "Silver Bullet Technology LLC" at 8666.66,-1924.27 h120
  text "5300 Via Andrea" at 8674,-2050 h120
  text "FILE NAME:" at 10646.57,-2086.07 h120
  text "DWG NO:" at 12146.57,-2086.07 h120
  text "SCALE:" at 14246.57,-2086.07 h120
  text "Newbury Park, CA 91320" at 8664,-2175 h120
  text ".Print_Scale" at 14337.57,-2198.07 h120
  text ".PCB_FILE_NAME_NO_PATH" at 10696.57,-2206.07 h120
  text "1" at -302.09,-2421.07 h120
  text "2" at 2523.57,-2421.07 h120
  text "3" at 5348.57,-2421.07 h120
  text "4" at 8189.58,-2421.07 h120
  text "5" at 11023.57,-2421.07 h120
  text "6" at 13858.57,-2421.07 h120
Drill Drawing:
  drawing of 273 lines, arcs and shapes, not listed
  text "Layer" at 9787.5,7219.86 h80
  text "Name" at 10122.27,7219.86 h80
  text "Material" at 10769.45,7219.86 h80
  text "Thickness" at 11351.03,7219.86 h80
  text "Constant" at 11828.76,7219.86 h80
  text "Board Layer Stack" at 12270.98,7219.86 h80
  text "Top Overlay" at 10122.27,7059.86 h80
  text "Top Solder" at 10122.27,6899.86 h80
  text "Solder Resist" at 10769.45,6899.86 h80
  text "0.40mil" at 11351.03,6899.86 h80
  text "3.5" at 11828.76,6899.86 h80
  text "1" at 9787.5,6739.86 h80
  text "Top Layer" at 10122.27,6739.86 h80
  text "Copper" at 10769.45,6739.86 h80
  text "1.40mil" at 11351.03,6739.86 h80
  text "Symbol" at 2640.24,6739.03 h96
  text "Count" at 3015.96,6739.03 h96
  text "Hole Size" at 3405.57,6739.03 h96
  text "Plated" at 4176.19,6739.03 h96
  text "Hole Type" at 4506.16,6739.03 h96
  text "Drill Layer Pair" at 4986.31,6739.03 h96
  text "Via/Pad" at 5896.23,6739.03 h96
  text "Pad Shape" at 6289.74,6739.03 h96
  text "Template" at 6803.86,6739.03 h96
  text "Description" at 7388.38,6739.03 h96
  text "Hole Tolerance (+)" at 7904.7,6739.03 h96
  text "Hole Tolerance (-)" at 8707.33,6739.03 h96
  text "Dielectric 1" at 10122.27,6579.86 h80
  text "FR-4" at 10769.45,6579.86 h80
  text "58.00mil" at 11351.03,6579.86 h80
  text "4.8" at 11828.76,6579.86 h80
  text "1" at 3015.96,6573.37 h80
  text "100.00mil (2.540mm)" at 3405.57,6573.37 h80
  text "NPTH" at 4176.19,6573.37 h80
  text "Round" at 4506.16,6573.37 h80
  text "Top Layer - Bottom Layer" at 4986.31,6573.37 h80
  text "Pad" at 5896.23,6573.37 h80
  text "Rounded" at 6289.74,6573.37 h80
  text "c127hn254" at 6803.86,6573.37 h80
  text "2" at 9787.44,6419.86 h80
  text "Bottom Layer" at 10122.27,6419.86 h80
  text "Copper" at 10769.45,6419.86 h80
  text "1.40mil" at 11351.03,6419.86 h80
  text "2" at 3015.96,6407.7 h80
  text "106.30mil (2.700mm)" at 3405.57,6407.7 h80
  text "PTH" at 4176.19,6407.7 h80
  text "Round" at 4506.16,6407.7 h80
  text "Top Layer - Bottom Layer" at 4986.31,6407.7 h80
  text "Pad" at 5896.23,6407.7 h80
  text "Rounded" at 6289.74,6407.7 h80
  text "c405h270" at 6803.86,6407.7 h80
  text "Bottom Solder" at 10122.27,6259.86 h80
  text "Solder Resist" at 10769.45,6259.86 h80
  text "0.40mil" at 11351.03,6259.86 h80
  text "3.5" at 11828.76,6259.86 h80
  text "5" at 3015.96,6242.03 h80
  text "300.00mil (7.620mm)" at 3405.57,6242.03 h80
  text "NPTH" at 4176.19,6242.03 h80
  text "Round" at 4506.16,6242.03 h80
  text "Top Layer - Bottom Layer" at 4986.31,6242.03 h80
  text "Pad" at 5896.23,6242.03 h80
  text "Rounded" at 6289.74,6242.03 h80
  text "c0hn762m-1p-1" at 6803.86,6242.03 h80
  text "Bottom Overlay" at 10122.27,6099.86 h80
  text "7" at 3015.96,6076.36 h80
  text "200.00mil (5.080mm)" at 3405.57,6076.36 h80
  text "NPTH" at 4176.19,6076.36 h80
  text "Round" at 4506.16,6076.36 h80
  text "Top Layer - Bottom Layer" at 4986.31,6076.36 h80
  text "Pad" at 5896.23,6076.36 h80
  text "Rounded" at 6289.74,6076.36 h80
  text "c0hn508m-1p-1" at 6803.86,6076.36 h80
  text "36" at 3015.96,5910.7 h80
  text "18.00mil (0.457mm)" at 3405.57,5910.7 h80
  text "PTH" at 4176.19,5910.7 h80
  text "Round" at 4506.16,5910.7 h80
  text "Top Layer - Bottom Layer" at 4986.31,5910.7 h80
  text "Via" at 5896.23,5910.7 h80
  text "Rounded" at 6289.74,5910.7 h80
  text "v127h46" at 6803.86,5910.7 h80
  text "40" at 3015.96,5745.03 h80
  text "32.01mil (0.813mm)" at 3405.57,5745.03 h80
  text "PTH" at 4176.19,5745.03 h80
  text "Round" at 4506.16,5745.03 h80
  text "Top Layer - Bottom Layer" at 4986.31,5745.03 h80
  text "Pad" at 5896.23,5745.03 h80
  text "(Mixed)" at 6289.74,5745.03 h80
  text "(Mixed)" at 6803.86,5745.03 h80
  text "40" at 3015.96,5579.36 h80
  text "43.31mil (1.100mm)" at 3405.57,5579.36 h80
  text "PTH" at 4176.19,5579.36 h80
  text "Round" at 4506.16,5579.36 h80
  text "Top Layer - Bottom Layer" at 4986.31,5579.36 h80
  text "Pad" at 5896.23,5579.36 h80
  text "(Mixed)" at 6289.74,5579.36 h80
  text "(Mixed)" at 6803.86,5579.36 h80
  text "59" at 3015.96,5413.69 h80
  text "12.00mil (0.305mm)" at 3405.57,5413.69 h80
  text "PTH" at 4176.19,5413.69 h80
  text "Round" at 4506.16,5413.69 h80
  text "Top Layer - Bottom Layer" at 4986.31,5413.69 h80
  text "Via" at 5896.23,5413.69 h80
  text "Rounded" at 6289.74,5413.69 h80
  text "v71h30" at 6803.86,5413.69 h80
  text "80" at 3015.96,5248.03 h80
  text "33.47mil (0.850mm)" at 3405.57,5248.03 h80
  text "PTH" at 4176.19,5248.03 h80
  text "Round" at 4506.16,5248.03 h80
  text "Top Layer - Bottom Layer" at 4986.31,5248.03 h80
  text "Pad" at 5896.23,5248.03 h80
  text "Rounded" at 6289.74,5248.03 h80
  text "c138h85" at 6803.86,5248.03 h80
  text "98" at 3015.96,5082.36 h80
  text "15.00mil (0.381mm)" at 3405.57,5082.36 h80
  text "PTH" at 4176.19,5082.36 h80
  text "Round" at 4506.16,5082.36 h80
  text "Top Layer - Bottom Layer" at 4986.31,5082.36 h80
  text "Via" at 5896.23,5082.36 h80
  text "Rounded" at 6289.74,5082.36 h80
  text "v71h38" at 6803.86,5082.36 h80
  text "368 Total" at 3015.96,4916.69 h80

## Text inside footprints (layer, text, board x,y; h text height)
P2: Bottom Overlay "40" at 588.5,230.39 h40 r90; Bottom Overlay "39" at 688.5,230.39 h40 r90; Bottom Overlay "2" at 590.87,2253.23 h40 r90; Bottom Overlay "1" at 690.87,2241.42 h40 r90